# KiCad board r1_panel.kicad_pcb (continued)
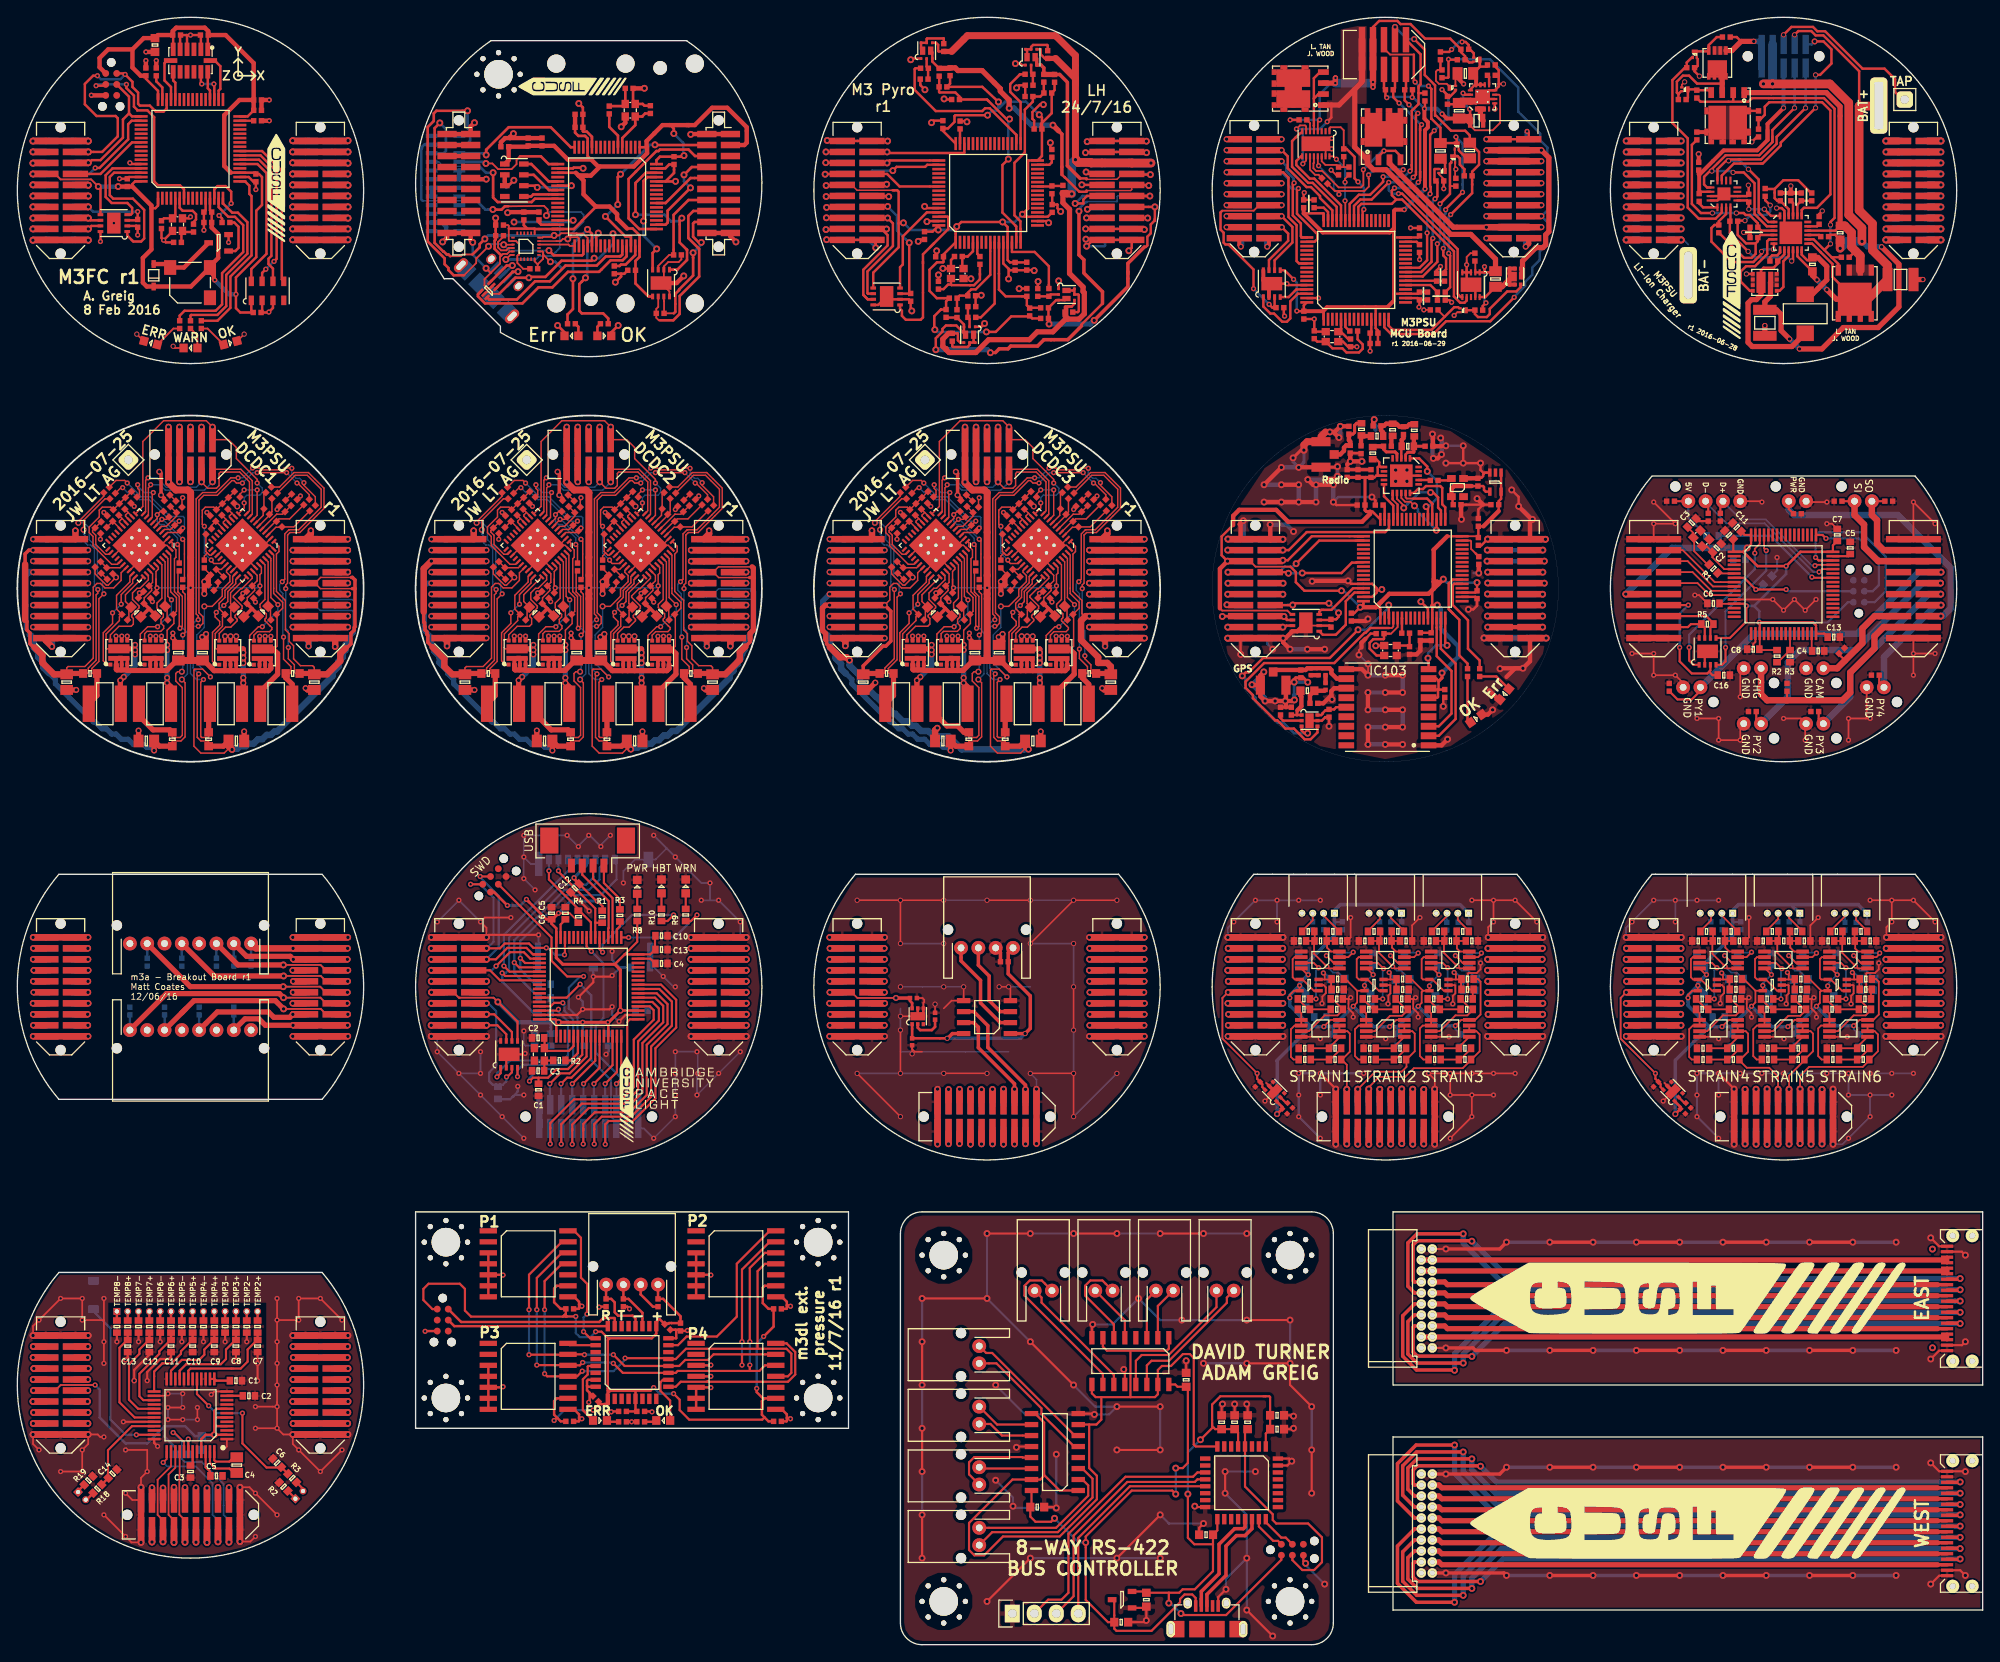
[diagram p0: board, top side]
## Routing (per net, layer and track width the routed paths; a pad name or vN(x,y) marks a point on that pad's centre or on a via; arc(x,y) is an arc through that point) (continued)
GND: length 2902.7
  Top w0.16: v3(105.5,131.5) C29#3.2 105.12,131.92 ; IC2#9.34 106.1,125.94 IC2#9.EP ; IC2#7.EP 14.1,125.94 IC2#7.34 ; IC2#7.EP 17.28,127 IC2#7.40 ; IC2#7.EP 12.33,127 IC2#7.23 ; IC2#7.EP 16.58,127 IC2#7.2 ; IC2#7.EP 14.1,125.23 IC2#7.28 ; 15.42,120.88 C31.2 15.38,120.72 v3(15.6,120.5) ; IC1#10.EP 121.18,127 IC1#10.40 ; IC1#10.EP 120.48,127 IC1#10.2 ; IC1#10.EP 118,125.23 IC1#10.28 ; IC1#10.EP 116.23,127 IC1#10.23 ; C10#9.2 113.6,124.31 C9#8.2 ; C24.2 8.98,123.7 10.28,122.4 10.5,122.4 v2(11.4,123.3) 11.02,123.68 R25#4.2 ; C5#10.1 122.28,131.42 v3(122,131.14) ; 62.88,131.98 62.86,131.98 ; IC2#9.EP 106.1,125.23 IC2#9.28 ; IC2#9.EP 104.33,127 IC2#9.23 ; IC2#9.EP 108.58,127 IC2#9.2 ; IC2#9.EP 109.28,127 IC2#9.40 ; C20#5.1 111.02,132.42 v3(111.1,132.5) ; C20#4.1 65.02,132.42 v3(65.1,132.5) ; 72.1,121.3 72.1,121.4 v3(72.05,121.45) ; 72.1,121.3 71.88,121.08 C4#15.2 ; 72.1,121.3 C13#9.2 ; v3(107.6,120.5) 107.38,120.72 C31#3.2 107.42,120.88 ; 106.36,121.3 106.3,121.3 v3(106.1,121.5) ; 106.36,121.3 106.58,121.52 ; 106.36,121.3 C19#6.2 105.98,120.88 ; v3(61.6,120.5) 61.38,120.72 C31#2.2 61.42,120.88 ; R25#5.2 57.02,123.68 v2(57.4,123.3) 56.5,122.4 56.28,122.4 54.98,123.7 C24#2.2 ; R17#5.1 16.88,132.18 ; v3(119.5,120.45) 119.28,120.67 C32#3.2 ; 26.1,121.3 26.1,121.4 v3(26.05,121.45) ; 26.1,121.3 C13#8.2 ; 26.1,121.3 25.88,121.08 C4#14.2 ; IC1#8.40 29.18,127 IC1#8.EP ; v3(9.6,127.7) 9.62,127.72 C25.2 9.62,128.12 ; v3(13.5,131.5) C29.2 13.12,131.92 ; v3(118.05,121.45) 118.1,121.4 118.1,121.3 ; IC1#9.34 72.68,125.26 IC1#9.EP ; R4#9.1 124.32,132.32 v3(124.7,132.7) ; v3(76,131.14) 76.28,131.42 C5#9.1 ; IC1#8.EP 28.48,127 IC1#8.2 ; IC1#8.EP 24.23,127 IC1#8.23 ; IC1#8.EP 26,125.23 IC1#8.28 ; R23.2 v3(10,130.8) ; IC2#8.2 62.58,127 IC2#8.EP ; v3(73.5,120.45) 73.28,120.67 C32#2.2 ; v3(32.7,132.7) 32.32,132.32 R4#7.1 ; C20#3.1 19.02,132.42 v3(19.1,132.5) ; IC1#9.EP 75.18,127 IC1#9.40 ; IC1#9.EP 72,125.23 IC1#9.28 ; IC1#9.EP 70.23,127 IC1#9.23 ; IC1#9.EP 74.48,127 IC1#9.2 ; R25#6.2 103.02,123.68 v2(103.4,123.3) 102.5,122.4 102.28,122.4 100.98,123.7 C24#3.2 ; v3(14.1,121.5) 14.3,121.3 14.36,121.3 ; R23#2.2 v3(56,130.8) ; IC2#8.28 60.1,125.23 IC2#8.EP ; v3(27.5,120.45) 27.28,120.67 C32.2 ; IC1#10.EP 118.68,125.26 IC1#10.34 ; IC1#8.34 26.68,125.26 IC1#8.EP ; C14#8.2 v2(117.4,131.5) ; IC2#8.EP 63.28,127 IC2#8.40 ; IC2#8.EP 58.33,127 IC2#8.23 ; IC2#8.EP 60.1,125.94 IC2#8.34 ; R4#8.1 78.32,132.32 v3(78.7,132.7) ; v3(101.6,127.7) 101.62,127.72 C25#3.2 101.62,128.12 ; v3(55.6,127.7) 55.62,127.72 C25#2.2 55.62,128.12 ; R10#6.2 v3(113.9,130.8) ; C5#8.1 30.28,131.42 v3(30,131.14) ; v3(59.5,131.5) C29#2.2 59.12,131.92 ; C10#7.2 21.6,124.31 C9#6.2 ; 60.36,121.3 60.3,121.3 v3(60.1,121.5) ; 60.36,121.3 60.58,121.52 ; 60.36,121.3 C19#5.2 59.98,120.88 ; 14.36,121.3 C19#4.2 13.98,120.88 ; 14.36,121.3 14.58,121.52 ; 118.1,121.3 117.88,121.08 C4#16.2 ; 118.1,121.3 C13#10.2 ; R17#6.1 62.88,132.18 ; R10#5.2 v3(21.9,130.8) ; R17#7.1 108.88,132.18 ; C9#7.2 67.6,124.31 C10#8.2 ; R10#4.2 v3(67.9,130.8) ; 16.88,131.98 16.86,131.98 ; C14#7.2 v2(71.4,131.5) ; C14#6.2 v2(25.4,131.5) ; R23#3.2 v3(102,130.8) ; 108.88,131.98 108.86,131.98
  Top w0.18: v4(122,61) v4(122,66) v4(117,66) ; v4(107,66) v4(112,66) ; v4(102,86) v4(97,86) ; v4(102,86) v4(102,81) ; v4(102,86) v4(107,86) ; v4(97,66) v4(102,61) ; v4(122,71) v4(122,76) ; v4(109.3,76) IC2#14.5 107.91,74.41 107,73.5 ; 104.5,68.5 103.66,68.5 103.35,68.81 C2#17.2 v4(103.35,68.25) ; v4(102,72.6) IC1#16.EP ; v4(117,86) v4(112,86) ; IC2#14.4 114.7,75.8 v4(114.5,76) v4(113.4,76) ; v4(102,71) v4(102,66) ; v4(117,81) v4(122,86) v4(127,86) ; R1#15.2 v4(106,74)
  Top w0.2: IC4#5.EP 151.11,173.31 IC4#5.15 ; v4(192.58,180.54) 192.25,180.21 Q3#6.G ; v3(165.95,153.56) 166.33,153.94 Q9.S ; IC9.4 v3(165.36,70.22) ; v3(158.05,70) 157.83,70.22 IC8.4 ; IC7.2 158.54,76.2 158.59,76.15 158.59,75.23 158.35,74.99 158.35,74.08 v3(158.31,74.04) ; IC102.EP 149.15,117.72 IC102.2 ; v3(204,107) 206,107 J6#7.2 206.5,106.3 v3(206.5,104.5) ; 54.3,156.7 53.96,157.04 53.96,157.75 54.69,158.48 ; v3(207.8,72.5) 207.8,72.92 207.23,73.5 207.23,74.58 207.25,74.6 ; 219,127.72 v3(219,132) v3(221.5,129.5) ; IC1#6.12 22.75,29.25 v3(22.4,28.9) ; v3(30,15) v3(27.5,17.5) 26.82,18.19 v1(25.72,18.19) ; J11#2.2 199,112.4 v3(199,109.5) ; J5#3.2 13.29,16.72 v3(12.5,17.5) ; v3(201.5,132) 201.4,132.1 J13.4 ; v3(23.75,22.75) 24.05,22.75 24.2,22.9 IC1#6.1 ; J9#5.2 213.6,107.1 213.5,107 ; v3(209,129.5) 209.6,129.5 C7#6.2 ; v3(194,107) v3(196.5,107) v3(196.5,104.5) v3(199,104.5) 199,106 J8#5.2 ; 207.25,74.6 207.35,74.6 v3(207.5,74.75) ; 207.25,74.6 C18#2.2 ; 161.25,74.6 161.35,74.6 v3(161.5,74.75) ; 161.25,74.6 C18.2 ; 161.25,74.6 161.23,74.58 161.23,73.5 161.8,72.92 v3(161.8,72.5) ; v3(151.75,170.35) 152.3,169.8 C15#9.2 ; v1(1.82,24.28) 1.82,23.19 v3(2.5,22.5) ; v3(216.5,86) v3(219,86) v3(221.5,83.5) ; v3(216.5,86) v3(214,86) ; v3(216.5,86) v3(216.5,83.5) 215.89,82.88 v1(215.89,81.72) ; v1(61.57,159.76) 60.7,160.63 60.7,160.08 ; v3(37.5,37.5) v3(35,40) v3(32.5,40) v3(32.5,37.5) v3(30,37.5) ; v3(168,63.5) v3(170.5,63.5) ; v3(168,63.5) v3(168,61) v3(165.5,58.5) ; v3(168,63.5) v3(165.5,63.5) v3(165.5,66) ; IC5#2.4 196.28,70.22 v3(196.5,70) ; v1(1.82,35.72) 1.82,36.81 v3(2.5,37.5) v3(5,40) v3(7.5,40) v3(7.5,37.5) 10,37.5 ; v3(165.5,66) v3(168,66) v3(170.5,66) v3(173,66) ; v3(165.5,66) v3(163,66) 163.72,65.28 v1(163.72,64.19) ; R23#4.2 v3(162.45,154.2) ; IC4#2.2 150.88,76.2 151.14,75.94 151.14,75.28 150.73,74.87 150.73,74.12 v3(150.69,74.08) ; 60.7,160.08 60.7,160.52 60.74,160.56 60.74,160.86 60.65,160.95 IC4#4.20 ; 60.7,160.08 60.1,159.47 60.1,159.46 ; 60.1,159.46 59.75,159.81 IC4#4.18 59.76,160.06 ; 60.1,159.46 C13#11.1 ; v3(219,114.5) 219,116.28 ; v3(219,114.5) v3(219,112) ; v3(219,114.5) v3(221.5,114.5) ; J10#2.2 206.7,132 v3(209,132) ; Q3#5.S 166.07,170.73 ; 166.07,170.73 166.07,170.35 ; 166.07,170.73 166.15,170.65 v3(166.15,170.45) ; IC10#2.EP 191.2,63.9 v3(190.1,62.8) ; v3(211.5,104.5) v3(211.5,107) 213.5,107 ; R22#6.2 164.75,169.32 164.2,169.87 Q7.S ; J5#5.2 192.4,111.1 v3(191.5,112) v3(189,112) v3(189,114.5) v3(186.5,114.5) ; v3(30,25) 30.72,24.28 v1(31.82,24.28) 31.82,23.19 v3(32.5,22.5) v3(35,20) v3(37.5,22.5) ; v3(30,25) 30,28 ; v3(30,25) v3(27.5,25) ; 155.35,115.35 155.35,115.3 154.96,114.91 v1(154.96,114.34) ; 213.5,107 v3(214,107) ; IC4#3.2 196.88,76.2 197.14,75.94 197.14,75.28 196.73,74.87 196.73,74.12 v3(196.69,74.08) ; D1.1 14.59,150.61 v4(13.8,151.4) ; v3(169,78.75) 169,78.02 168.58,77.6 167.63,77.6 167.55,77.53 167.55,75.78 167.63,75.7 R6#2.1 168.1,75.6 C7#3.2 ; 166.07,170.35 166.07,169.49 R21#6.2 ; 166.07,170.35 166.07,170.43 166.09,170.45 ; 189,127.72 v3(189,129.5) v3(191.5,129.5) v3(189,132) ; IC9#2.4 v3(211.36,70.22) ; IC1#16.4 104.65,74.15 104.75,74.25 104.75,74.5 104.55,74.7 C1#16.2 ; 104.65,73.1 104.15,72.6 IC1#16.EP ; 30,28 v3(30,30) v3(30,32.5) v3(30,35) v3(30,37.5) ; 30,28 v3(30,27.5) v3(27.5,27.5) ; v3(200,74.75) 199.85,74.6 199.75,74.6 ; v1(54.19,81.72) 54.19,82.81 v3(53.5,83.5) 54,84 v3(57,84) ; v3(10,32.5) v3(10,35) 10,37.5 ; C8#6.2 200.5,115 200.5,115.6 200.75,115.85 IC1#7.18 ; v1(156.01,113.3) 156.01,112.01 v1(156,112) ; IC1#6.26 17.15,28.75 v3(17.4,29) ; v3(211.79,74.03) 211.8,74.04 211.8,74.95 212.09,75.24 212.09,76.13 212.02,76.2 IC2#5.2 ; C20#6.2 167.84,160.75 167.4,160.31 v3(167.4,159.42) ; IC1#7.12 v3(202.75,120.75) v3(204,119.5) v3(205.25,120.75) v3(206.5,119.5) v3(207.75,120.75) ; D3.1 25.41,150.61 v4(26.2,151.4) ; v3(20.8,26) v3(20.8,27.4) ; v3(30,37.5) v3(30,40) ; v3(170.5,86) v3(170.5,83.5) 169.89,82.88 v1(169.89,81.72) ; v3(170.5,86) v3(168,86) ; v3(170.5,86) v3(173,86) v3(175.5,83.5) ; C6#7.2 194.25,121.25 v3(193.75,121.25) ; v1(25.72,11.91) 26.92,11.91 v3(27.5,12.5) ; 153.75,74.6 153.75,73.49 154.3,72.94 v3(154.3,72.5) ; 153.75,74.6 153.85,74.6 v3(154,74.75) ; 153.75,74.6 C8#3.2 ; v1(54.14,159.01) 54.68,158.48 54.69,158.48 ; C12#10.2 76.7,160.04 76.39,159.72 75.18,159.72 74.68,159.22 IC2#10.2 74.68,157.62 IC2#10.EP 75.33,156.32 IC2#10.8 ; v3(10,15) v3(12.5,12.5) 13.19,11.81 v1(14.29,11.81) ; v3(165.79,74.03) 165.8,74.04 165.8,74.95 166.09,75.24 166.09,76.13 166.02,76.2 IC2#4.2 ; 199.75,74.6 199.75,73.49 200.3,72.94 v3(200.3,72.5) ; 199.75,74.6 C8#4.2 ; IC5.4 150.28,70.22 v3(150.5,70) ; v3(5,20) v3(7.5,20) v3(7.5,22.5) 8.19,23.19 v1(8.19,24.28) 9.29,24.28 9.57,24 v3(10,24) ; 190.25,64.9 190.58,64.57 IC10#2.5 ; v3(208,84) 207.1,83.1 C17#3.2 ; IC10.EP 145.2,63.9 v3(144.1,62.8) ; C12#11.2 166.1,181.27 Q1#6.S ; C6#5.2 200,81.7 v3(200,84) ; v3(204.05,70) 203.83,70.22 IC8#2.4 ; v3(204.31,74.04) 204.35,74.08 204.35,74.99 204.59,75.23 204.59,76.15 204.54,76.2 IC7#2.2 ; v3(151.8,172.8) 151.21,173.39 IC4#5.EP 151.19,173.39 v3(151.81,174.01) ; v1(14.29,18.19) 14.29,19.28 v3(15,20) 15,22.5 v3(12.5,22.5) ; C7#4.2 214.1,75.6 R6#3.1 213.63,75.7 213.55,75.78 213.55,77.53 213.63,77.6 214.58,77.6 215,78.02 v3(215,78.75) ; v3(10,40) 10,37.5 ; 19,27.4 v3(17.4,27.4) ; v3(17.4,26) 19,26 ; C17#2.2 161.1,83.1 v3(162,84) ; IC4#4.11 56.85,160.95 56.57,160.67 56.11,160.67 55.9,160.53 55.75,160.31 55.75,159.54 54.69,158.48 ; D2.1 18.2,149.8 v4(18,150) ; C6#4.2 154,81.7 v3(154,84) ; IC10.5 144.58,64.57 144.25,64.9 ; 196.85,127.04 196.8,127.09 ; 193.98,183.3 194.1,183.17 Q1#7.S 193.98,183.3
  Top w0.25: v1(221,21) 221.97,20.03 J2#8.1 224.97,20.03 v1(225,20) ; v1(147.4,25) 147.3,24.9 C3#16.2 ; IC2#15.1 130.25,4.25 C10#13.2 v1(130.4,2.8) 130.2,2.6 C9#13.2 ; C14#5.1 12.75,33.25 12.8,33.2 v3(12.5,32.9) ; v3(24,35) R13#4.1 ; v1(127,27.5) v1(132,27.5) ; C9#5.1 v3(27.75,32.5) v3(27.75,30.5) ; v1(132,22.5) v1(127,22.5) ; IC1#17.16 136.1,15.9 v1(136,16) ; v3(16.5,35) R11#4.1 ; IC10#2.4 191.04,65.04 ; J2#9.2 224.6,45.4 v1(225,45) ; v1(142,27.8) 142.1,27.7 C5#16.2 ; v3(66.05,84.75) 66.05,84.8 63.95,86.91 C12#2.2 ; v1(115.4,22.8) 115.49,22.89 IC3#7.12 ; C2#13.2 119.9,15.9 v1(120,15.8) ; v3(196.5,66) 198.29,64.22 v1(198.29,64.19) ; J2#9.19 224.6,34.6 v1(225,35) ; v3(58.65,68.3) 58.55,68.2 IC2#3.EP ; J2#8.19 224.4,8.6 v1(225,8) ; v3(68.7,77.3) 68.58,77.18 v3(66.53,77.18) 66.53,76.53 v3(64.8,74.8) ; v1(124.4,26.6) 124.3,26.7 IC3#7.8 ; J1#17.5 138.7,5.5 v1(139.6,6.4) ; v3(13.5,30.5) 13.5,31.75 15.25,33.5 C12#5.1 ; v1(124.2,37) 124.11,36.91 IC4#7.8 ; v1(142,4) v1(145,1) ; v1(54.19,81.72) 54.47,82 v3(60.2,82) ; v3(14,35) R15#4.1 ; IC1#3.63 64.65,72.75 v3(65.3,73.4) 68.4,73.4 v3(68.7,73.7) ; v3(26.5,35) R9#2.1 ; P1#4.5 148.54,9.66 v1(148.8,9.4) ; v1(221,33) 221.97,33.97 J2#9.20 ; v3(15,30.5) 15,31.5 16.5,33 17.5,33 17.75,33.25 C10#6.1 ; v1(112,47.5) v1(117,47.5) ; v1(142,37.5) v1(147,37.5) ; v1(104.5,25) v1(104.5,20) ; C1#12.2 v1(135,32.8) ; C3#7.1 194.19,129.8 D6.2 ; IC1#6.32 v3(12.25,25.75) ; v1(122,30) v1(117,35) ; v1(221,7) 221.97,7.97 J2#8.20 ; IC1#17.32 146.9,21.5 v1(147.2,21.2) 146.7,20.7 IC1#17.31 ; v1(112,40) v1(104.5,40) ; IC2#6.2 194.9,114.42 IC2#6.EP ; IC1#3.18 70.25,72.75 v3(69.5,72) ; v1(122,47.5) v1(127,47.5) ; J1#14.20 v1(165,34.28) ; C8#15.2 136.5,13.5 v1(137,14) ; v3(21.5,35) R17#4.1 ; v1(152.29,64.19) 152.29,64.22 v3(150.5,66) ; IC4#7.12 127.92,31.67 v1(127.79,31.8) ; v1(104.5,15) v1(104.5,10) ; v3(19,35) R5#5.1 ; v1(149.5,22.5) v1(149.5,17.5) ; v1(132,15) v1(127,10) ; v1(149.5,27.5) 147,30 v1(147,32.5) v1(142,32.5) ; IC10.4 145.04,65.04 ; v1(221,47) 221.97,46.03 J2#9.1 ; IC2#3.EP 56.48,67.93 IC2#3.2 ; 196.83,127.13 196.83,127.12 ; v1(104.5,35) v1(104.5,30) ; v1(139.5,17.5) v1(139.5,20) ; v1(132,47.5) v1(137,47.5) ; v1(139.2,27.8) 139.1,27.7 C7#15.2 ; v3(11.5,35) R19#4.1 ; v3(25.25,32.75) C11#5.1 ; J1#14.2 v1(165,45.72) ; v1(147.4,26.4) 147.3,26.5 C4#13.2 ; v1(117,10) v1(112,5) ; C6#16.2 v1(140.6,27.8)
  Top w0.28: C112.2 151.55,117.72 IC102.2 ; Y1#6.4 153.11,150.53 153.7,149.94 C1#11.1 v3(154.71,149.94) ; 148.59,152.99 C5#12.1 v3(149.8,153.15) C2#12.2 ; C7#11.1 161.73,155.57 IC1#12.18 ; C7#11.1 C3#12.1 ; C7#11.1 161.94,154.57 v3(161.89,154.52) ; 146.03,173.91 v2(146.03,173.91) ; v3(150.29,155.56) 150.28,155.57 IC1#12.63 ; IC2#11.EP 168.99,178.56 IC2#11.15 ; IC2#11.EP 169.99,179.56 IC2#11.8 171.1,180.02 171.1,180.3 ; IC2#11.EP 169.49,178.56 IC2#11.6 ; IC2#11.EP 168.49,178.06 IC2#11.16 IC2#11.15 ; v3(170.66,177.4) 170.64,177.42 IC2#11.5 ; v3(146.37,153.48) 146.28,153.57 C16#10.2 ; v3(148.64,167.75) 148.57,167.68 C8#11.1 C10#11.2 ; 139.68,173.91 v2(139.67,173.92) ; 169.68,162.49 v2(169.67,162.48) ; 169.68,173.91 v2(169.67,173.92) ; v3(174.38,174.82) 174.57,174.63 J4#4.2 J4#4.1 ; v3(160.92,163.67) 160.93,163.66 C4#9.1 ; v3(161.96,160.01) 161.95,160.02 C11#11.2 ; 194.08,183.19 194.08,182.39 193.87,182.18 R6#9.2 193.72,181.76 v4(194.28,181.2) ; 192.18,173.72 v2(192.18,173.71) ; IC2#12.EP 197.37,167.34 199.77,167.34 R3#12.2 199.98,168.56 v4(199.94,168.6) ; 204.1,163.85 204.2,163.75 204.1,163.85 ; 204.1,163.85 IC1#13.23 204.1,165.66 203.79,165.96 v4(203.2,165.96) ; v4(200.34,173.6) 200.92,174.18 R13#9.2 ; v4(199.71,158.35) 199.72,158.35 Q6#2.S2 ; v4(208.47,165.63) 208.11,165.27 C4#10.1 ; 170.7,182.3 171.1,181.9 171.1,181.3 ; 159.1,135.7 159.1,134.5 v1(159.2,134.4) ; 159.1,135.7 159.75,135.05 IC201.EP ; 159.1,135.7 v1(160.5,135.7) ; 159.1,135.7 159.1,134.97 159.67,134.4 v1(160.5,134.4) ; v3(47.1,36.2) 47.13,36.23 P1#3.5 ; v1(103.31,154.08) 103.18,154.21 C16#2.2 102.96,155.42 IC2#2.2 100.73,155.42 IC2#2.EP 99.43,154.77 IC2#2.8 ; IC2.2 28.28,154.03 C17.2 29,153.9 v3(29.05,153.95) 29.53,154.43 IC2.3 ; 169.4,135.3 169,135.71 v1(169,136.5) v1(167,136.5) ; 169.4,135.3 169.3,135.2 169.3,135 169.1,134.8 168.75,134.8 C8#13.1 ; 169.4,135.3 169.5,135.4 U1.3 ; v1(110.14,157.79) 110.11,157.83 Y1#2.4 ; v1(153.96,136.7) 153.6,136.34 C6#14.2 ; v3(21.55,163.4) C5.1 C9.1 21.75,165.7 IC1.12 ; IC3.8 v3(9.6,162.1) ; IC1#15.7 IC1#15.6 IC1#15.5 ; 160.6,135.7 v1(160.5,135.7) ; v1(160.5,135.7) v1(160.5,134.4) ; v1(160.5,135.7) v1(159.2,135.7) v1(159.2,134.4) ; v1(160.5,135.7) IC201.EP ; C1#3.2 107.11,178.51 v1(107.04,178.58) ; 64.88,26.2 64.88,25.84 64.84,25.8 C4#12.2 ; 64.88,26.2 65.1,26.2 v3(65.2,26.1) ; 64.88,26.2 64.88,26.61 64.3,27.19 IC3#6.8 ; 88.88,39.2 89.2,39.2 v3(89.3,39.1) ; 88.88,39.2 88.88,38.84 88.84,38.8 C2#16.2 ; 88.88,39.2 88.88,39.61 88.3,40.19 IC2#13.8 ; IC5#4.16 76.08,35.4 76.1,35.42 76.1,36.28 76,36.38 ; J1#15.2 72,40.46 73.41,39.05 D5#2.2 ; IC1#15.5 IC1#15.4 IC1#15.3 ; IC1#15.5 56.07,42.73 v3(56.1,42.7) ; v1(123.42,162.37) 125.2,162.37 J11.19 ; 114.5,158.94 113.88,159.56 IC1#2.12 ; 114.5,158.94 114.5,157.79 v1(114.49,157.78) ; 114.5,158.94 114.65,158.78 C10#2.1 116.57,158.78 C13#2.1 ; IC2#11.15 166.98,178.56 C14#10.2 166.38,177.96 R2#12.2 ; v3(70.7,38.8) 70.45,39.05 D3#9.2 ; J11.19 J11.20 128.72,161.37 v1(128.38,161.03) ; J11.19 124.24,162.28 v1(123.51,161.56) ; R14.2 117.86,157.44 v1(117.9,157.48) ; C6#15.2 76,36.38 ; 76,36.38 76.47,36.38 C5#15.2 77.35,36.25 v3(77.4,36.3) ; v1(115.42,179.85) 115.72,180.15 R5#2.2 116.41,178.86 C2#3.2 ; IC4.2 21.2,185.9 C16.2 v3(20,185.95) 19.55,185.95 ; 64.88,39.3 64.88,39.61 64.3,40.19 IC1#15.8 ; 64.88,39.3 65,39.3 v3(65.2,39.1) ; 64.88,39.3 64.88,38.84 64.84,38.8 C1#15.2 ; 171.1,180.3 v4(171.65,180.3) ; 171.1,180.3 171.1,181.3 ; v1(106.9,158.99) 106.92,158.98 Y1#2.2 107.84,159.96 C5#2.1 ; 169.3,131.7 C4#11.2 ; 169.3,131.7 C7#13.1 ; 169.3,131.7 168.75,131.15 C103.1 ; IC5#4.31 65.92,30.6 65.8,30.48 65.8,29.9 ; v3(80.1,42.7) 80.07,42.73 IC2#13.5 ; IC1.63 12.9,169.55 C4.1 v3(11.8,169.35) ; 66.1,29.1 65.8,29.4 65.8,29.9 ; 66.1,29.1 C7#14.2 ; 66.1,29.1 66.1,28.1 v3(66,28) ; 146.53,109.1 146.53,109.47 146.53,109.47 P101.2 146.8,110.85 ; v1(99.15,161.37) 99.15,161.85 J9.20 J9.19 93.5,162.28 v1(93.47,162.32) ; C8#2.1 117.44,176.07 117.25,176.27 117.25,177.06 118.11,177.92 v1(118.51,177.92) ; v1(111.72,152.63) 111.33,152.24 Q3.S1 ; v1(141.3,114.4) 141.29,114.42 J101.19 ; v1(160.5,134.4) v1(159.2,134.4) ; v1(160.5,134.4) IC201.EP ; IC2#12.16 196.37,166.84 IC2#12.EP 196.76,167.34 IC2#12.15 ; IC4#6.3 80.07,32.27 v3(80.1,32.3) ; R13.2 110.68,154.59 C3#3.2 111.28,155.84 v1(111.33,155.89) ; IC4.5 18.8,185.9 C14.2 19.55,185.95 ; v1(157.6,121.9) 157.49,121.78 157,121.78 ; C6#2.2 v1(106.39,158.24) ; IC101.63 156.51,121.05 157,121.55 157,121.78 ; Y1.2 17.93,163.28 v3(16.9,162.25) ; Y1.2 18.05,163.2 ; Y1.2 17.65,163.6 ; v3(16.9,162.25) 16.65,162.5 C1.1 ; v3(16.9,162.25) 17.15,162 C6.2 ; 88.88,26.2 89.2,26.2 v3(89.3,26.1) ; 88.88,26.2 88.88,25.84 88.84,25.8 C3#15.2 ; 88.88,26.2 88.88,26.61 88.3,27.19 IC4#6.8 ; v1(115.28,182.66) 115.84,182.66 116.01,182.48 Q1#2.S1 ; 164.7,109.45 v1(164.7,108.4) ; C208.2 155.15,137.65 C207.2 ; IC1#12.12 156.39,151.66 C6#12.1 C9#10.1 v3(156.25,149.44) ; IC1.18 26.73,169.55 27.28,169 27.65,169 ; v3(73.3,26.9) 73.25,26.95 C9#12.2 ; R1#14.2 v3(70.95,25.75) R2#15.2 ; C12.1 105.82,176.06 v1(105.59,175.83) ; 65.8,29.9 65.9,29.8 IC5#4.32 ; IC2#13.5 IC2#13.4 IC2#13.3 ; IC2#13.5 IC2#13.6 IC2#13.7 ; Q1.2 v3(24.4,162) ; v1(117.45,158.74) 117.39,158.8 C13#2.1 ; IC4#6.4 v3(80.1,31) ; 116.56,158.74 116.65,158.65 ; D4#7.2 67.25,39.05 v3(67.2,39) ; C8#14.2 68.65,26.95 v3(68.6,26.9) ; v1(165,136.5) v1(167,136.5) ; v1(167,136.5) v1(167,138.5) ; v1(104.83,179.63) 104.29,180.17 R12.2 ; v1(115.71,156.65) 115.73,156.67 C4#3.2 116.59,156.68 ; IC1.60 13.14,171.05 v3(13,171.19) ; v1(156.9,115.4) 156.93,115.42 Y101.4 ; C9#2.1 104.28,162.34 v1(104.06,162.12) ; v1(100.52,173.7) 100.51,173.72 J9.2 J9.1 95.23,173.77 v1(93.54,173.77) ; 155.7,116.2 156.3,116.8 C101.1 ; R18#5.2 165.41,155.32 v3(165.66,155.08) ; IC3#6.3 IC3#6.4 IC3#6.5 ; v3(13.9,162.85) C15.2 13.75,163.9 IC3.2 ; v1(120.51,165.57) 120.14,165.93 120.14,166.35 120.12,166.37 C11#2.1 119.53,167.59 R27#3.2 ; IC3#6.5 56.03,29.73 v3(56.1,29.8) ; IC3#6.5 IC3#6.6 IC3#6.7 ; 155.2,137.65 155.25,137.6 ; IC4#6.7 IC4#6.6 IC4#6.5 80.07,29.73 v3(80.1,29.7) ; v3(16.2,22.92) 15.8,23.32 IC1#6.36 ; IC5#3.9 168.4,156.61 IC5#3.EP 167.4,157.61 IC5#3.4 ; 19.55,185.95 19.6,185.9 IC4.4 ; IC101.18 168.4,121.05 C107.1 ; IC1#2.63 105.12,164.46 v1(105.06,164.4) ; v1(130.41,173.69) 130.38,173.72 J11.2 J11.1 125.21,173.64 v1(123.57,173.64) ; IC5#3.4 v3(167.4,159.42) ; IC5#3.4 IC5#3.3 ; IC5#3.4 IC5#3.5 ; v1(162.11,120.49) 162.93,119.67 IC101.12 ; v1(151.5,106.1) C2#15.2 151.05,107.15 151.05,107.12 150.68,106.75 IC1#14.5 IC1#14.EP 149.4,106.6 ; 157,121.78 157,122.06 156.51,122.55 IC101.60 154.05,122.55 v1(153.7,122.9) ; 147.4,111.44 147.39,111.44 ; IC1#12.60 146.8,157.07 v3(146.64,157.23) IC3#5.EP ; C3.1 28.2,177.35 ; v1(156.45,132.58) 156.85,132.18 156.85,132.15 156.85,132.15 C110.2 ; C14#2.2 109.6,176.01 v1(109.68,175.93) ; Q4.S1 120.27,157.54 v1(120.28,157.55) ; C13#2.1 116.6,158.79 ; C203.2 164.95,138.45 v1(165,138.5) ; C15#2.2 119.32,172.9 v1(119.32,173.51) ; C107.1 168.6,120.6 ; C107.1 168.6,120.03 168.17,119.6 v1(167.6,119.6) ; IC1#2.60 104.99,165.96 v1(104.79,166.16) ; 171.1,181.3 C13#12.2 ; 117.84,164.45 IC1#2.18 118.92,164.46 v1(119.12,164.27) ; v1(103.19,183.1) 103.32,183.23 Q2.S1 ; Y1.4 19.83,164.78 v3(20,164.95) ; IC201.EP IC201.18 ; Y1#6.2 149.9,151.69 ; v1(106.19,161.02) 106.07,160.9 C7#2.1 ; v1(172.6,133.4) 173.4,132.6 v1(173.4,131.5) ; 163.93,158.43 163.93,158.76 v3(164.38,159.22) ; C104.1 169.1,127 v1(169.83,127.72) ; C109.1 152.35,131.65 v1(152,132) ; v3(27.55,168.1) C7.1 ; R22#6.2 v3(164.75,168.2)
  Top w0.3: D3#5.1 68.6,151.6 v1(69.4,152.4) ; 69.73,158.38 69.73,158.06 v1(69.08,157.4) ; 69.73,158.38 70.1,158.38 C8#10.1 ; 69.73,158.38 C10#10.2 ; v1(65.35,170.56) 65.28,170.63 64.27,170.63 64.18,170.54 IC1#11.18 ; 55.9,160.53 55.87,160.51 55.13,161.25 55.13,162.21 55.25,162.33 C16#9.2 C14#9.1 ; 74.87,169.04 75.85,170.02 C5#11.1 75.29,171 74.84,170.55 74.55,170.55 74.54,170.54 IC1#11.63 ; 74.87,169.04 76.02,169.04 v1(76.03,169.05) ; 74.87,169.04 IC1#11.60 ; 54.92,157.02 54.6,156.7 54.3,156.7 ; IC3#4.3 56.73,168.55 v1(57.35,169.18) ; C1#10.1 72.43,177.79 72.23,177.99 Y1#5.2 71.12,178.24 C2#11.2 ; IC1#16.5 IC1#16.EP ; v1(62.4,152.4) 63.2,151.6 D1#5.1 ; v1(64.85,178.05) 65.32,177.58 C6#11.1 C9#9.1 65.32,174.86 65.39,174.79 65.78,174.79 66.37,174.2 IC1#11.12 ; IC1#16.4 104.65,73.1
  Top w0.35: v1(148.6,138) 148.25,138 v1(147.35,137.1) ; C3#14.1 R2#14.1 ; 147.4,111.44 147.66,111.7 D1#8.2 148.54,111.7 v1(149.05,111.19) ; 145.94,109.01 v1(145.28,109.01) ; P201.2 152.41,136.03 v1(152.48,136.1) ; C202.2 C201.2 C6#14.2 ; 146.53,109.09 v1(146.45,109.01) ; v1(147.48,111.2) 147.39,111.29 147.39,111.44 146.8,110.85
  Top w0.4: v3(119.99,116.49) 119.98,116.47 Q1#5.S2 ; v2(24,116.5) 23.98,116.47 23.98,115.99 ; Q4#2.S2 12.05,116.5 v3(12.06,116.51) ; Q1#3.S2 29.28,116.48 v3(29.28,116.49) ; v3(109.96,116.86) v3(109.96,116.31) 110.6,115.67 C22#3.2 ; v2(71.28,116.49) 71.28,116.48 71.28,115.99 ; v2(24.63,116.49) 24.63,116.48 Q2#2.S2 ; v3(28.63,116.49) 28.63,116.48 Q1#3.S2 ; Q3#3.S2 v3(62.65,116.51) ; Q2#4.S2 115.98,116.47 v2(116,116.5) ; v3(63.96,116.86) v3(63.96,116.31) 64.6,115.67 C22#2.2 ; Q3#3.S2 v3(62,116.5) ; v3(17.96,116.86) v3(17.96,116.31) 18.6,115.67 C22.2 ; Q1#5.S2 121.28,116.48 v3(121.28,116.49) ; J1#10.1 95.28,127.71 v2(93.82,127.71) ; v2(108.4,135.5) 108.6,135.3 v2(108.6,132.8) 108.98,132.42 R17#7.1 ; v2(116.63,116.49) 116.63,116.48 Q2#4.S2 ; v1(187,34) v1(192,34) ; Q3#4.S2 v3(108,116.5) ; v3(120.63,116.49) 120.63,116.48 Q1#5.S2 ; D1#11.1 113.55,79.95 J4#7.2 ; v1(207,8) v1(212,8) ; Q4#2.S2 v3(12.7,116.51) ; v1(177,8) v1(182,8) ; Q4#3.S2 58.05,116.5 v3(58.06,116.51) ; v3(15.36,116.51) 15.35,116.5 Q3#2.S2 ; v3(61.36,116.51) 61.35,116.5 Q3#3.S2 ; Q1#4.S2 73.98,116.47 v3(73.99,116.49) ; Q2#3.S2 70.63,116.48 v2(70.63,116.49) ; Q4#3.S2 v3(57.4,116.51) ; Q4#4.S2 v3(104.7,116.51) ; Q4#2.S2 v3(11.4,116.51) ; v1(172,46.5) 171.22,45.72 v1(165,45.72) ; v3(75.28,116.49) 75.28,116.48 75.28,115.99 ; v2(47.82,127.71) 49.28,127.71 J1#9.1 ; Q2#3.S2 69.98,116.47 v2(70,116.5) ; J1#8.20 8.18,116.28 v2(8.18,116.28) ; J1#8.1 3.28,127.71 v2(1.82,127.71) ; 27.98,115.99 27.98,116.47 v3(27.99,116.49) ; Q4#4.S2 v3(103.4,116.51) ; v1(207,20.5) v1(212,20.5) ; IC10#2.5 IC10#2.EP ; v1(187,20.5) v1(192,20.5) ; J1#9.20 54.18,116.28 v2(54.18,116.28) ; v1(207,46.5) v1(212,46.5) ; v1(165,34.28) 168.13,34.28 168.41,34 v1(172,34) ; v1(177,46.5) v1(182,46.5) ; Q3#4.S2 v3(108.65,116.51) ; Q3#2.S2 v3(16,116.5) ; v1(207,34) v1(212,34) ; v2(62.4,135.5) 62.6,135.3 v2(62.6,132.8) 62.98,132.42 R17#6.1 ; J1#13.20 v1(165,8.28) 171.72,8.28 v1(172,8) ; v1(177,34) v1(182,34) ; IC10.5 IC10.EP ; v1(197,46.5) v1(202,46.5) ; Q2#2.S2 25.28,116.48 v2(25.28,116.49) ; v1(177,20.5) v1(182,20.5) ; J1#13.2 v1(165,19.72) 171.22,19.72 v1(172,20.5) ; Q2#4.S2 117.28,116.48 v2(117.28,116.49) ; v1(197,34) v1(202,34) ; Q3#2.S2 v3(16.65,116.51) ; v2(16.4,135.5) 16.6,135.3 v2(16.6,132.8) 16.98,132.42 R17#5.1 ; Q4#3.S2 v3(58.7,116.51) ; v1(197,8) v1(202,8) ; v3(107.36,116.51) 107.35,116.5 Q3#4.S2 ; J1#10.20 100.18,116.28 v2(100.18,116.28) ; Q1#4.S2 74.63,116.48 v3(74.63,116.49) ; v1(187,8) v1(192,8) ; v3(104.06,116.51) 104.05,116.5 Q4#4.S2 ; v1(187,46.5) v1(192,46.5) ; v1(197,20.5) v1(202,20.5)
  Top w0.45: IC3#5.EP 143.92,157.6 IC3#5.8 ; IC3#5.EP 144.57,156.91 IC3#5.2 ; 200.13,163.15 C1#13.2 ; 200.13,163.15 C8#12.2 ; 200.13,163.15 v4(199.39,163.15) ; v4(204.84,168.52) 204.84,168.51 204.84,167.7 ; v2(144.36,161.5) 144.57,161.7 J1#11.20 ; v2(141.32,161.51) 141.14,161.69 J1#11.19 ; v3(167.05,180.3) 166.35,181 C12#11.2 ; 204.84,167.7 206.05,167.7 ; 204.84,167.7 203.63,167.7 ; C10#12.2 v2(194.2,172.2)
  Top w0.5: 152.16,140.1 v1(151.6,140.1) 151.1,140.1 ; 152.16,140.1 v1(152.81,140.75) D2#9.2 ; 152.16,140.1 152.16,139.94 v1(152.65,139.45) ; C2#11.2 72.42,179.79 v1(72.43,179.8) ; v1(69.75,175.35) 70.22,175.82 Y1#5.4 ; v1(160,106) v1(158,106) ; v1(146.2,116.28) 146.2,115.8 v1(147,115) ; v1(146.2,116.28) 146.19,116.28 ; v1(146.2,116.28) 146.48,116.28 147.28,117.08 147.85,117.08 IC102.EP ; v1(152,134) v1(150,134) 149.65,134 v1(149.05,134.6) ; C8.1 v3(14.85,183) ; v1(141.6,129.85) 141.2,129.45 141.2,129.4 141.29,129.31 J101.1 ; v1(156,106) v1(156,104) ; P201.2 150.58,139.57 ; C206.2 156.6,141.41 v1(156.72,141.53) ; v1(55.25,164.81) C14#9.1 ; v1(139.8,116.28) 139.81,116.28 J101.19 ; 170,110.25 171.06,109.19 D101.1 ; P101.2 146.53,109.09 ; v1(146.45,109.01) 146.53,109.1 146.53,108.3 ; v1(146.45,109.01) v1(144.12,109.01) 143.58,109.55 P101.2 ; v1(146.45,109.01) 147.38,109.01 v1(147.5,109.14) ; v1(144.7,129.4) 144.72,129.38 J101.2 ; v1(142.6,110.9) 142.65,110.85 P101.2 ; v1(165.2,104.6) 164.5,103.9 IC103.1 ; 169.3,131.7 v1(168.6,132.4) ; 153.6,136.34 153.91,136.65 153.95,136.65 C208.2 ; v1(163.45,139.85) 163.5,139.8 C203.2 164.55,138.45 ; v1(166.8,130) 166.75,130.05 C4#11.2 ; C11.2 v3(29.1,176.05) ; P201.2 148.03,136.03 v1(148,136) ; 56.87,174.13 56.94,174.05 C3#11.1 C7#10.1 ; 56.87,174.13 v1(57.3,174.56) ; 56.87,174.13 56.87,174.05 56.34,174.05 55.85,173.56 C15#8.2 ; P101.2 143.58,111.98 v1(143.97,112.38) ; 155.25,115.2 155.25,115.75 155.7,116.2 ; v1(52.8,175.82) 52.37,175.39 J4#5.1 J4#5.2 ; v1(158,112) v1(160,112) ; v1(148,132) v1(146,132) ; IC3#4.3 IC3#4.2 ; v3(29.1,178.45) C2.1 C3.1 ; v1(153.96,136.7) v1(155.3,136.7) ; 151.77,109.68 150.84,108.75 C1#14.1 ; 151.77,109.68 151.77,109.28 v1(151.85,109.2) ; 151.77,109.68 151.77,110.17 152.1,110.5 IC103.12 152.32,110.5 ; C111.2 v1(168.8,123.8) ; v1(160,110) v1(158,110) ; v1(144,132) v1(150,132) ; v1(151.1,134.65) 152.15,134.65 v1(152.48,134.98) ; v1(49.13,162.05) 49.64,162.56 J4#5.20 J4#5.19 52.37,162.24 v1(52.6,162) ; J2#7.1 J2#7.2 77.82,174.51 v1(77.78,174.47) ; D102.1 169.86,107.46 v1(170.4,108) ; v1(164.5,137.5) 164.05,137.05 v1(163.55,137.05) ; v3(8.55,179) 8.57,178.98 P1.5 ; Y201.2 167.06,134.75 C8#13.1 ; v1(83,162.05) 82.37,162.69 J2#7.19 J2#7.20 79.56,163.09 ; IC103.10 155.3,112.7 v1(156,112) ; v1(158,104) v1(160,104) ; v1(76.98,158.12) 76.15,157.3 IC2#10.EP ; J103.2 174.72,129.72 v1(175,130) 174.9,130 v1(173.4,131.5) ; v1(156,118.5) 155.76,118.26 C105.1 ; C13.2 v3(14.85,184) ; v1(156,110) v1(156,108) ; v1(146,136) v1(144,134) ; v1(171.25,112.75) 171.3,112.8 v1(173.9,112.8) ; v1(149,115) v1(151,115) ; C11#10.2 C4#8.1 56.7,165.5 v1(56.63,165.43) ; v1(173.9,112.8) 174.72,113.61 J103.20 ; v1(173.9,112.8) 173,112.8 172,111.8 ; C10.2 v3(16.05,183) ; v1(149.55,122.85) 149.6,122.9 v1(153.7,122.9) ; v1(158,108) v1(160,108) ; C108.1 C106.1 162.05,114.84 161.61,114.4 C102.2 ; v1(146,134) v1(148,134)